# KiCad board architeuthis_dux_right.kicad_pcb
title: KEYBOARD_NAME_HERE; rev: VERSION_HERE; company: YOUR_NAME_HERE
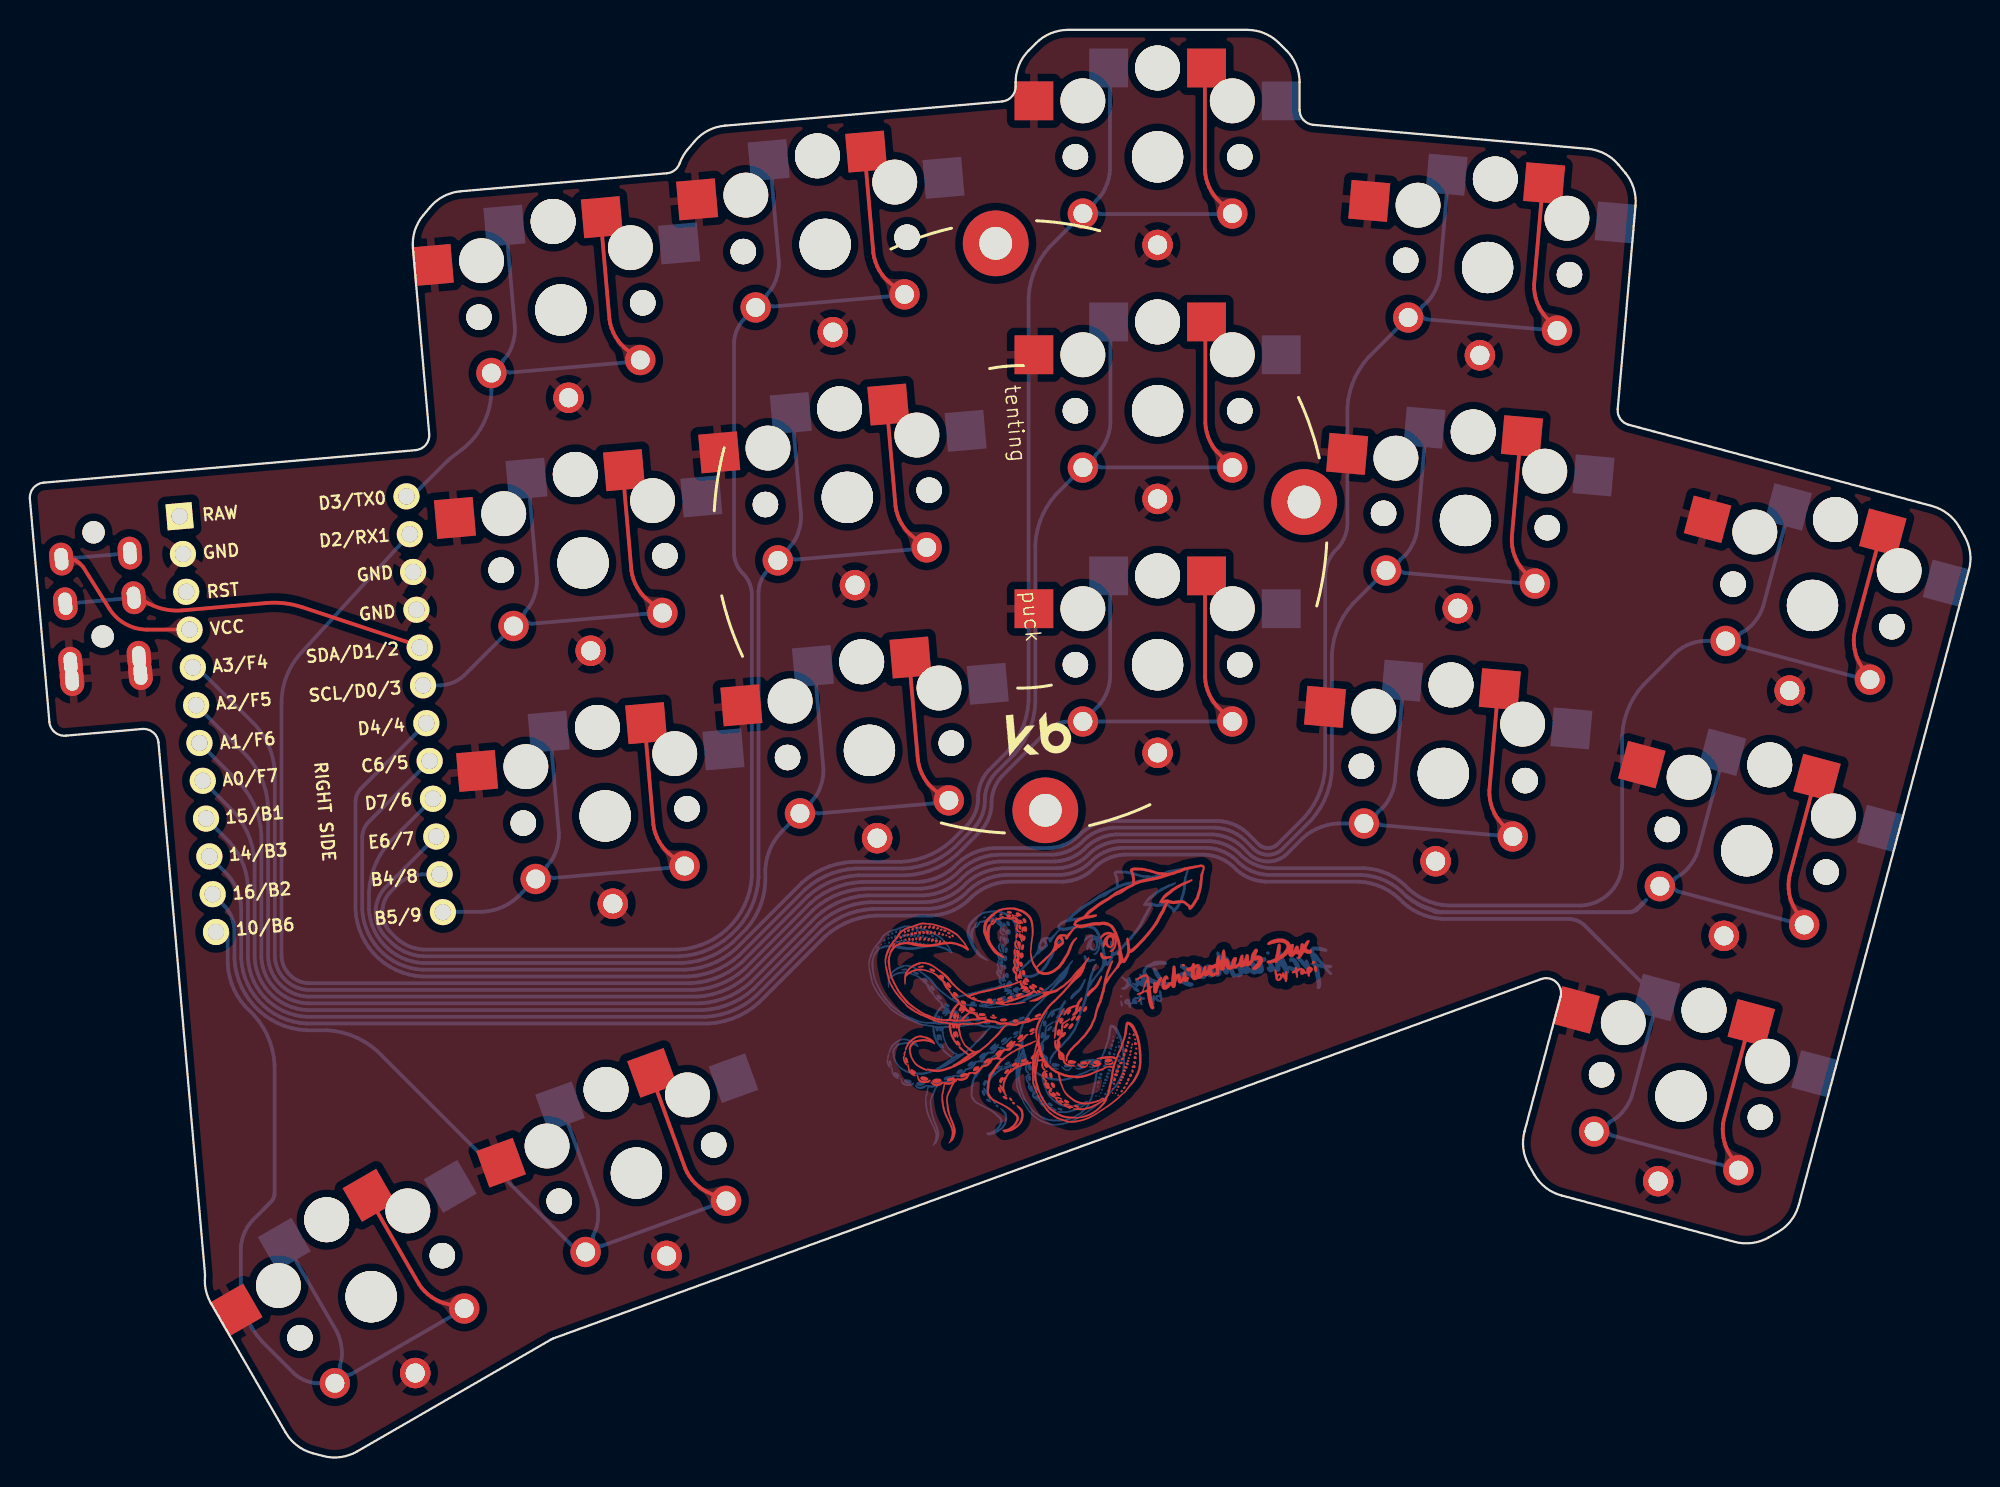
[diagram p0: board, top side]
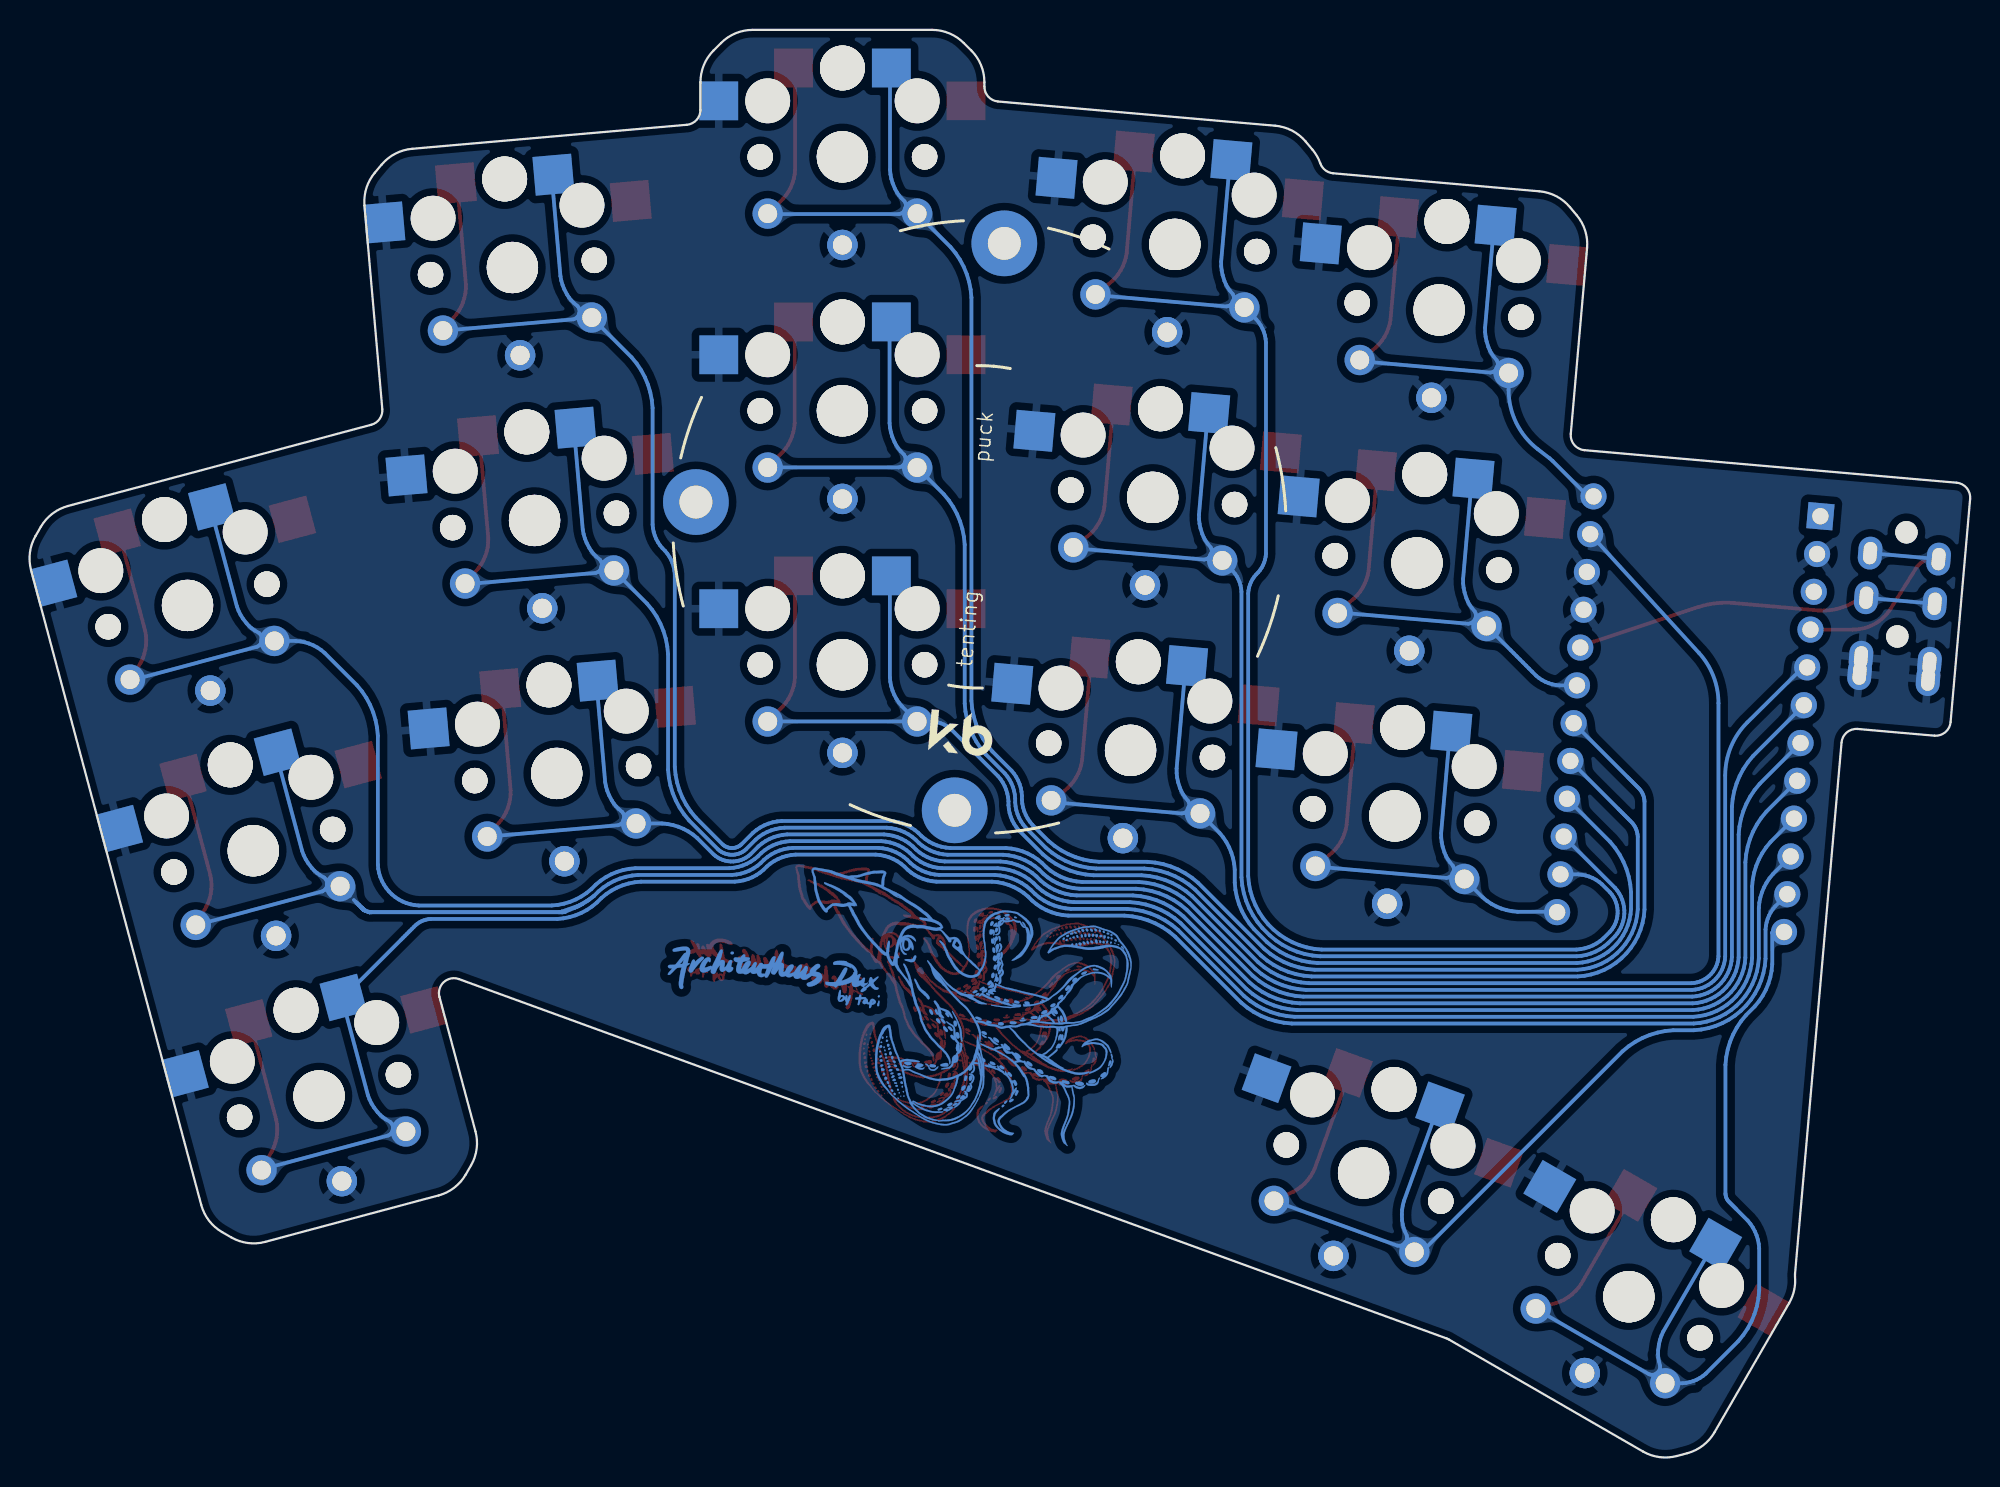
[diagram p1: board, bottom side, seen from below]

Outline 129.83 x 95.55 mm; copper layers: Top, Bottom. Coordinates in mm from the lower left corner of the outline.
Outline path: 19.61,0.08 18.93,0.26 arc(17.88,0.78) 17.11,1.66 12.11,10.32 arc(11.78,11.17) 11.72,12.08 arc(11.72,12.16) 11.72,12.25 8.6,47.84 arc(8.25,48.52) 7.52,48.75 2.39,48.3 arc(1.66,48.53) 1.31,49.21 0,64.15 arc(0.23,64.88) 0.91,65.23 25.81,67.41 arc(26.49,67.77) 26.72,68.5 25.63,80.95 arc(25.76,82.11) 26.32,83.14 26.78,83.68 arc(27.69,84.41) 28.82,84.74 42.63,85.95 arc(43.15,86.15) 43.48,86.61 arc(43.7,87.09) 44.01,87.53 44.46,88.07 arc(45.38,88.8) 46.5,89.13 65.05,90.75 arc(65.7,91.07) 65.96,91.75 65.96,92.05 arc(66.19,93.19) 66.84,94.17 ; 19.61,0.08 arc(20.78,0) 21.89,0.38 34.88,7.88 arc(34.96,7.92) 35.04,7.95 101.12,32 arc(102.14,31.8) 102.43,30.8 100.02,21.8 arc(99.94,20.64) 100.32,19.53 ; 66.84,94.17 67.34,94.67 arc(68.31,95.32) 69.46,95.55 81.46,95.55 arc(82.61,95.32) 83.58,94.67 84.08,94.17 ; 84.08,94.17 arc(84.73,93.19) 84.96,92.05 84.96,90.19 arc(85.23,89.51) 85.88,89.19 104.26,87.58 arc(105.39,87.26) 106.3,86.52 106.75,85.98 arc(107.32,84.96) 107.44,83.79 106.25,70.16 arc(106.43,69.5) 106.99,69.11 127.28,63.67 arc(128.33,63.16) 129.1,62.28 129.46,61.66 ; 100.67,18.92 100.32,19.53 ; 100.67,18.91 arc(101.44,18.03) 102.49,17.52 114.08,14.41 arc(115.25,14.33) 116.36,14.71 ; 116.36,14.71 116.97,15.06 arc(117.85,15.84) 118.37,16.89 129.76,59.39 arc(129.83,60.55) 129.46,61.66

## Placement (name value [footprint] x y rotation side)
C1  -  [ProMicro]  18.83 49.74 275 top
G***  LOGO  [BIGSQUID]  70.81 31 190 bottom
REF**  Tenting Puck  [Tenting_Puck]  66.29 62.28 185 bottom
S1  -  [PG1350]  110.49 24.17 165 bottom
S2  -  [PG1350#2]  110.49 24.17 345 bottom
S3  -  [PG1350]  114.89 40.59 165 bottom
S4  -  [PG1350#2]  114.89 40.59 345 bottom
S5  -  [PG1350]  119.29 57.02 165 bottom
S6  -  [PG1350#2]  119.29 57.02 345 bottom
S7  -  [PG1350]  94.58 45.77 175 bottom
S8  -  [PG1350#2]  94.58 45.77 355 bottom
S9  -  [PG1350]  96.06 62.7 175 bottom
S10  -  [PG1350#2]  96.06 62.7 355 bottom
S11  -  [PG1350]  97.55 79.64 175 bottom
S12  -  [PG1350#2]  97.55 79.64 355 bottom
S13  -  [PG1350]  75.46 53.05 180 bottom
S14  -  [PG1350#2]  75.46 53.05 0 bottom
S15  -  [PG1350]  75.46 70.05 180 bottom
S16  -  [PG1350#2]  75.46 70.05 0 bottom
S17  -  [PG1350]  75.46 87.05 180 bottom
S18  -  [PG1350#2]  75.46 87.05 0 bottom
S19  -  [PG1350]  56.18 47.32 185 bottom
S20  -  [PG1350#2]  56.18 47.32 5 bottom
S21  -  [PG1350]  54.7 64.25 185 bottom
S22  -  [PG1350#2]  54.7 64.25 5 bottom
S23  -  [PG1350]  53.22 81.19 185 bottom
S24  -  [PG1350#2]  53.22 81.19 5 bottom
S25  -  [PG1350]  38.5 42.92 185 bottom
S26  -  [PG1350#2]  38.5 42.92 5 bottom
S27  -  [PG1350]  37.01 59.86 185 bottom
S28  -  [PG1350#2]  37.01 59.86 5 bottom
S29  -  [PG1350]  35.53 76.79 185 bottom
S30  -  [PG1350#2]  35.53 76.79 5 bottom
S31  -  [PG1350]  40.59 19.02 200 bottom
S32  -  [PG1350#2]  40.59 19.02 20 bottom
S33  -  [PG1350]  22.84 10.74 210 bottom
S34  -  [PG1350#2]  22.84 10.74 30 bottom
T1  -  [TRRS-PJ-320A-dual]  1.83 63.31 185 bottom

## Footprints (pads in the part's own frame, mm; a bottom-side part is the same pattern mirrored in y, then rotated)
PG1350
  round 1.702 hole 1.702 unplated: (-5.5,0) (5.5,0)
  round 3 hole 3 unplated: (-5,3.75) (0,5.95) (0,5.95) (5,3.75)
  round 3.429 hole 3.429 unplated: (0,0)
  rect 2.6x2.6 smd far side: 1(-3.275,5.95) 2(8.275,3.75)
  rect 2.6x2.6 smd: 1(3.275,5.95) 2(-8.275,3.75)
PG1350#2
  round 1.702 hole 1.702 unplated: (-5.5,0) (5.5,0)
  round 3.429 hole 3.429 unplated: (0,0)
  round 2.032 hole 1.27: 1(-5,3.8) 1(5,3.8) 2(0,5.9) 2(0,5.9)
ProMicro
  rect 1.753x1.753 hole 1.092: 1(-13.97,-7.62)
  round 1.753 hole 1.092: 2(-11.43,-7.62) 3(-8.89,-7.62) 4(-6.35,-7.62) 5(-3.81,-7.62) 6(-1.27,-7.62) 7(1.27,-7.62) 8(3.81,-7.62) 9(6.35,-7.62) 10(8.89,-7.62) 11(11.43,-7.62) 12(13.97,-7.62) 13(-13.97,7.62) 14(-11.43,7.62) 15(-8.89,7.62) 16(-6.35,7.62) 17(-3.81,7.62) 18(-1.27,7.62) 19(1.27,7.62) 20(3.81,7.62) 21(6.35,7.62) 22(8.89,7.62) 23(11.43,7.62) 24(13.97,7.62)
Tenting_Puck
  round 4.4 hole 2.2: 1(-19.05,0) 1(0,-19.05) 1(0,19.05)
TRRS-PJ-320A-dual
  round 1.5 hole 1.5 unplated: (-2.3,-8.6) (-2.3,-1.6)
  oval 1.6x2.2 hole 0.9x1.5: 1(-4.6,-11.3) 1(0,-11.3) 2(-4.6,-10.2) 2(0,-10.2) 3(-4.6,-6.2) 3(0,-6.2) 4(-4.6,-3.2) 4(0,-3.2)

## Nets
GND: C1.2 C1.15 C1.16 S1.2 S2.2 S3.2 S4.2 S5.2 S6.2 S7.2 S8.2 S9.2 S10.2 S11.2 S12.2 S13.2 S14.2 S15.2 S16.2 S17.2 S18.2 S19.2 S20.2 S21.2 S22.2 S23.2 S24.2 S25.2 S26.2 S27.2 S28.2 S29.2 S30.2 S31.2 S32.2 S33.2 S34.2 T1.1 T1.2
VCC: C1.4 T1.4
P0: C1.5 S11.1 S12.1
P1: C1.14 S13.1 S14.1
P2: C1.17 T1.3
P3: C1.6 S9.1 S10.1
P4: C1.7 S7.1 S8.1
P5: C1.8 S5.1 S6.1
P6: C1.9 S3.1 S4.1
P7: C1.10 S1.1 S2.1
P8: C1.11 S31.1 S32.1
P9: C1.12 S33.1 S34.1
P10: C1.24 S25.1 S26.1
P14: C1.22 S21.1 S22.1
P15: C1.21 S19.1 S20.1
P16: C1.23 S23.1 S24.1
P18: C1.20 S17.1 S18.1
P19: C1.19 S15.1 S16.1
P20: C1.18 S27.1 S28.1
P21: C1.13 S29.1 S30.1

Pads without a net: C1 1 3; REF** 1

## Routing (per net, layer and track width the routed paths; a pad name or vN(x,y) marks a point on that pad's centre or on a via; arc(x,y) is an arc through that point)
GND: length 0.1
  Bottom w0.25: 10.34,60.46 C1.2
VCC: length 15.4
  Top w0.25: C1.4 7.86,55.4 arc(6.4,55.77) 5.31,56.8 3.56,59.6 3.33,59.83 3.24,59.9 3.15,59.96 3.05,60.01 2.95,60.05 2.85,60.09 2.74,60.11 2.63,60.12 T1.4
  Bottom w0.25: T1.4 T1.4
P0: length 161.6
  Top w0.25: 102.22,75.4 101.29,76.51 101.12,76.76 100.97,77.03 100.85,77.31 100.76,77.6 100.7,77.9 100.66,78.21 100.66,78.51 101.24,85.18
  Bottom w0.25: S12.1 89.57,73.63 89.23,73.21 88.93,72.77 88.68,72.3 88.48,71.8 88.32,71.29 88.22,70.77 88.16,70.23 88.16,62.43 88.14,62.18 88.09,61.94 88.02,61.7 87.92,61.47 87.81,61.25 87.67,61.04 87.51,60.85 87.33,60.67 87.18,60.48 87.04,60.27 86.92,60.05 86.82,59.82 86.75,59.58 86.7,59.34 86.68,59.09 86.68,46.2 86.63,45.67 86.52,45.15 86.37,44.64 86.16,44.14 85.91,43.67 85.61,43.23 85.27,42.81 83.48,41.02 83.41,40.96 83.33,40.91 83.25,40.86 83.17,40.83 83.08,40.8 82.99,40.78 82.9,40.78 82.81,40.78 82.72,40.78 82.63,40.8 82.54,40.83 82.45,40.86 82.37,40.91 82.3,40.96 82.23,41.02 81.45,41.79 81.22,41.98 80.97,42.15 80.7,42.29 80.42,42.41 80.13,42.5 79.83,42.56 79.53,42.59 72.31,42.59 72.01,42.56 71.71,42.5 71.42,42.41 71.14,42.29 70.87,42.15 70.62,41.98 70.38,41.79 70.17,41.57 69.93,41.38 69.68,41.21 69.41,41.07 69.13,40.95 68.84,40.86 68.54,40.8 68.24,40.78 64.52,40.78 64.14,40.74 63.77,40.66 63.4,40.55 63.05,40.41 62.72,40.23 62.4,40.02 62.1,39.77 61.83,39.5 61.54,39.26 61.22,39.05 60.89,38.87 60.53,38.72 60.17,38.61 59.8,38.54 59.42,38.5 55.63,38.5 55.1,38.45 54.58,38.35 54.07,38.19 53.57,37.99 53.1,37.73 52.66,37.44 52.24,37.1 47.83,32.68 47.41,32.34 46.97,32.05 46.5,31.79 46,31.59 45.49,31.43 44.97,31.33 44.44,31.28 18.62,31.28 18.39,31.3 18.16,31.35 17.94,31.41 17.73,31.5 17.53,31.61 17.33,31.74 17.16,31.88 16.99,32.05 16.85,32.22 16.72,32.41 16.61,32.62 16.52,32.83 16.46,33.05 16.41,33.28 16.39,33.5 16.39,45.63 arc(16,47.56) 14.91,49.19 11.19,52.87 C1.5 ; 94.92,85.73 94.33,79.07 94.28,78.77 94.19,78.47 94.08,78.19 93.89,77.83 93.76,77.63 93.61,77.44 93.44,77.27 93.18,77.05 93.1,76.92 93.05,76.77 93.05,76.61 93.1,76.46 93.19,76.33 93.32,76.23 93.46,76.17 102.22,75.4
P1: length 126.9
  Top w0.25: S13.1 78.68,58.94 78.67,58.93 78.66,58.91 78.65,58.9 78.65,58.88 78.64,58.87 78.64,58.85 78.64,58.83 78.64,52.21 78.67,51.9 78.73,51.6 78.82,51.31 78.93,51.03 79.08,50.76 79.25,50.5 79.44,50.27 S14.1
  Bottom w0.25: 71.16,49.25 71.27,49.25 ; 71.16,49.25 71.02,49.25 ; 71.16,49.25 71.13,49.29 ; 71.27,49.25 S14.1 ; 71.27,49.25 71.13,49.29 ; 71.02,49.25 70.99,49.28 ; 71.02,49.25 70.96,49.25 ; 70.41,49.25 70.31,49.28 ; 70.41,49.25 70.33,49.25 ; 70.41,49.25 70.96,49.25 ; 70.31,49.28 70.33,49.25 ; 70.31,49.28 70.27,49.3 ; 70.99,49.28 70.99,49.32 ; 70.99,49.28 70.96,49.25 ; 70.9,49.68 71.48,50.27 71.68,50.5 71.85,50.76 71.99,51.03 72.11,51.31 72.2,51.6 72.26,51.9 72.29,52.21 72.29,58.83 72.29,58.85 72.28,58.87 72.28,58.88 72.27,58.9 72.26,58.91 72.25,58.93 72.24,58.94 S13.1 ; 70.9,49.68 70.87,49.6 ; 70.9,49.68 70.82,49.62 ; 70.99,49.32 71.01,49.35 ; 70.99,49.32 70.96,49.38 ; 71.01,49.35 70.96,49.38 ; 71.01,49.35 71.13,49.29 ; 70.87,49.52 70.84,49.48 ; 70.87,49.52 70.9,49.45 ; 70.87,49.52 70.87,49.6 ; 70.84,49.48 70.9,49.45 ; 70.84,49.48 70.75,49.5 ; 70.96,49.38 70.9,49.45 ; 70.26,49.35 70.17,49.32 ; 70.26,49.35 70.62,49.5 ; 70.26,49.35 70.27,49.3 ; 70.17,49.32 70.27,49.3 ; 70.17,49.32 69.92,49.27 ; 70.82,49.62 70.87,49.6 ; 70.82,49.62 70.72,49.55 ; 70.33,49.25 70,49.25 ; 69.71,49.25 70,49.25 ; 69.71,49.25 69.92,49.27 ; 69.71,49.25 69.48,49.25 69.27,49.23 69.07,49.19 68.87,49.13 68.68,49.05 68.49,48.95 68.32,48.83 68.16,48.7 65.05,45.59 64.88,45.38 64.73,45.16 64.61,44.93 64.51,44.68 64.43,44.43 64.38,44.17 64.35,43.91 64.35,43.64 64.33,43.38 64.27,43.12 64.2,42.86 64.1,42.62 63.97,42.39 63.82,42.17 63.65,41.96 62.05,40.36 61.64,40.02 61.19,39.72 60.72,39.47 60.23,39.26 59.72,39.11 59.19,39.01 58.66,38.95 55.45,38.95 54.92,38.9 54.39,38.8 53.88,38.64 53.39,38.44 52.91,38.18 52.47,37.89 52.06,37.55 47.64,33.13 47.23,32.79 46.78,32.5 46.31,32.24 45.82,32.04 45.31,31.88 44.78,31.78 44.25,31.73 18.64,31.73 18.45,31.75 18.27,31.78 18.09,31.84 17.92,31.91 17.76,31.99 17.6,32.1 17.46,32.22 17.33,32.35 17.21,32.49 17.11,32.65 17.02,32.81 16.95,32.98 16.89,33.16 16.86,33.34 16.84,33.53 16.84,50.47 arc(17.18,52.28) 18.15,53.84 25.42,61.79 C1.14 ; 70,49.25 69.92,49.27 ; 70.62,49.5 70.75,49.5 ; 70.62,49.5 70.72,49.55 ; 70.75,49.5 70.72,49.55
P2: length 25.8
  Top w0.25: 7.08,57.2 7.08,57.6 7.09,57.6 7.98,57.13 arc(9.05,56.75) 10.19,56.69 15.82,57.18 arc(17.04,57.16) 18.23,56.9 26.21,54.25 26.21,54.26 ; T1.3 6.95,57.13 6.96,57.05 6.98,56.97 7,56.88 7.03,56.81 7.07,56.73 7.12,56.66 7.18,56.6
  Bottom w0.25: T1.3 T1.3
P3: length 142.5
  Top w0.25: 99.75,68.2 99.16,61.54 99.17,61.23 99.2,60.93 99.26,60.63 99.36,60.34 99.48,60.06 99.62,59.79 99.8,59.53 100.72,58.43
  Bottom w0.25: C1.6 14.53,46.93 14.87,46.52 15.17,46.07 15.42,45.6 15.63,45.11 15.78,44.59 15.89,44.07 15.94,43.54 15.94,33.48 15.97,33.21 16.02,32.94 16.1,32.68 16.2,32.42 16.33,32.18 16.49,31.95 16.66,31.74 16.85,31.55 17.07,31.37 17.29,31.22 17.54,31.09 17.79,30.99 18.05,30.91 18.32,30.85 18.59,30.83 44.62,30.83 45.15,30.88 45.68,30.98 46.19,31.14 46.68,31.34 47.16,31.6 47.6,31.89 48.01,32.23 52.43,36.65 52.84,36.99 53.29,37.28 53.76,37.54 54.25,37.74 54.76,37.9 55.29,38 55.82,38.05 59.6,38.05 59.98,38.09 60.36,38.16 60.72,38.27 61.07,38.42 61.41,38.6 61.73,38.81 62.02,39.05 62.29,39.32 62.59,39.57 62.9,39.78 63.24,39.96 63.59,40.1 63.96,40.21 64.33,40.29 64.71,40.33 68.42,40.33 68.73,40.35 69.02,40.41 69.32,40.5 69.6,40.62 69.86,40.76 70.12,40.93 70.35,41.12 70.57,41.34 70.8,41.53 71.05,41.7 71.32,41.84 71.6,41.96 71.89,42.05 72.19,42.11 72.49,42.14 79.34,42.14 79.64,42.11 79.94,42.05 80.23,41.96 80.51,41.84 80.78,41.7 81.03,41.53 81.27,41.34 81.92,40.68 82.03,40.6 82.14,40.52 82.26,40.46 82.39,40.4 82.52,40.36 82.65,40.34 82.78,40.33 82.92,40.33 83.05,40.34 83.19,40.36 83.32,40.4 83.44,40.46 83.56,40.52 83.67,40.6 83.78,40.68 85.72,42.63 86.06,43.04 86.36,43.48 86.61,43.96 86.82,44.45 86.97,44.96 87.08,45.49 87.13,46.02 87.13,53.75 87.18,54.28 87.29,54.8 87.44,55.31 87.65,55.81 87.9,56.28 88.2,56.72 88.53,57.14 S10.1 ; 100.72,58.43 91.97,59.2 91.82,59.25 91.7,59.35 91.61,59.48 91.56,59.64 91.56,59.79 91.6,59.95 91.69,60.08 91.94,60.29 92.11,60.46 92.26,60.65 92.39,60.85 92.58,61.21 92.7,61.5 92.78,61.79 92.84,62.09 93.42,68.75
P4: length 125.5
  Top w0.25: 99.23,41.54 98.3,42.64 98.12,42.89 97.98,43.16 97.86,43.44 97.77,43.74 97.7,44.04 97.67,44.34 97.67,44.65 98.25,51.31
  Bottom w0.25: 99.23,41.54 90.47,42.3 90.32,42.36 90.2,42.46 90.11,42.59 90.06,42.74 90.06,42.9 90.1,43.05 90.19,43.19 90.44,43.4 90.61,43.57 90.76,43.76 90.9,43.96 91.08,44.32 91.2,44.6 91.28,44.9 91.34,45.2 91.92,51.86 ; C1.7 14.08,45.07 14.42,44.66 14.72,44.21 14.97,43.74 15.18,43.25 15.33,42.73 15.44,42.21 15.49,41.68 15.49,33.46 15.52,33.14 15.58,32.83 15.68,32.53 15.8,32.23 15.95,31.95 16.12,31.69 16.33,31.44 16.55,31.21 16.8,31.01 17.06,30.84 17.34,30.69 17.64,30.56 17.94,30.47 18.26,30.41 18.57,30.38 44.83,30.38 45.37,30.43 45.89,30.53 46.4,30.69 46.9,30.89 47.37,31.15 47.81,31.44 48.23,31.78 52.64,36.2 53.05,36.54 53.5,36.83 53.97,37.09 54.46,37.29 54.98,37.45 55.5,37.55 56.03,37.6 59.79,37.6 60.17,37.64 60.54,37.71 60.91,37.82 61.26,37.97 61.6,38.15 61.91,38.36 62.21,38.6 62.48,38.87 62.77,39.12 63.09,39.33 63.42,39.51 63.78,39.65 64.14,39.76 64.52,39.84 64.89,39.88 68.61,39.88 68.91,39.9 69.21,39.96 69.5,40.05 69.78,40.17 70.05,40.31 70.3,40.48 70.54,40.67 70.75,40.89 70.99,41.08 71.24,41.25 71.51,41.39 71.79,41.51 72.08,41.6 72.38,41.66 72.68,41.69 79.15,41.69 79.46,41.66 79.75,41.6 80.04,41.51 80.33,41.39 80.59,41.25 80.85,41.08 81.08,40.89 81.62,40.35 81.76,40.23 81.91,40.13 82.07,40.05 82.23,39.98 82.41,39.93 82.58,39.89 82.76,39.88 82.94,39.88 83.12,39.89 83.3,39.93 83.47,39.98 83.64,40.05 83.79,40.13 83.94,40.23 84.08,40.35 85.18,41.45 85.47,41.68 85.78,41.89 86.1,42.06 86.44,42.2 86.8,42.31 87.16,42.38 87.53,42.42 S8.1
P5: length 161
  Top w0.25: 123.85,61.77 122.12,55.31 122.07,55.01 122.05,54.71 122.06,54.4 122.1,54.1 122.17,53.8 122.27,53.51 122.39,53.23 123.11,51.98
  Bottom w0.25: S6.1 112.04,54.64 111.74,54.61 111.44,54.55 111.15,54.46 110.87,54.35 110.6,54.2 110.35,54.03 110.11,53.84 107.95,51.68 107.62,51.27 107.32,50.82 107.07,50.35 106.86,49.86 106.71,49.35 106.6,48.82 106.55,48.29 106.55,39.66 106.52,39.38 106.47,39.1 106.38,38.83 106.28,38.57 106.14,38.32 105.99,38.09 105.81,37.87 105.61,37.67 105.39,37.49 105.15,37.33 104.9,37.2 104.64,37.09 104.37,37.01 104.1,36.96 103.81,36.93 94.92,36.93 94.5,36.97 94.09,37.05 93.69,37.17 93.31,37.33 92.94,37.53 92.59,37.76 92.26,38.03 91.97,38.32 91.64,38.59 91.3,38.82 90.93,39.02 90.54,39.18 90.14,39.3 89.73,39.38 89.31,39.43 83.04,39.43 82.73,39.45 82.44,39.51 82.15,39.6 81.86,39.72 81.6,39.86 81.34,40.03 81.11,40.22 80.89,40.44 80.66,40.63 80.41,40.8 80.14,40.94 79.86,41.06 79.57,41.15 79.27,41.21 78.97,41.24 72.87,41.24 72.56,41.21 72.27,41.15 71.98,41.06 71.69,40.94 71.43,40.8 71.17,40.63 70.94,40.44 70.72,40.22 70.49,40.03 70.24,39.86 69.97,39.72 69.69,39.6 69.4,39.51 69.1,39.45 68.8,39.43 65.08,39.43 64.7,39.39 64.33,39.31 63.96,39.2 63.61,39.06 63.27,38.88 62.96,38.67 62.66,38.42 62.39,38.15 62.1,37.91 61.78,37.7 61.45,37.52 61.09,37.37 60.73,37.26 60.36,37.19 59.98,37.15 56.22,37.15 55.69,37.1 55.16,37 54.65,36.84 54.16,36.64 53.68,36.38 53.24,36.09 52.83,35.75 48.41,31.33 48,30.99 47.55,30.7 47.08,30.44 46.59,30.24 46.08,30.08 45.55,29.98 45.02,29.93 18.55,29.93 18.19,29.96 17.83,30.03 17.49,30.14 17.15,30.28 16.83,30.45 16.53,30.65 16.25,30.88 15.99,31.14 15.76,31.42 15.56,31.72 15.39,32.04 15.25,32.37 15.15,32.72 15.08,33.08 15.04,33.44 15.04,39.82 14.99,40.35 14.88,40.88 14.73,41.39 14.52,41.88 14.27,42.35 13.97,42.8 13.63,43.21 C1.8 ; 123.11,51.98 114.63,54.25 114.49,54.34 114.39,54.46 114.32,54.6 114.3,54.76 114.33,54.92 114.4,55.06 114.5,55.17 114.79,55.34 114.99,55.48 115.17,55.64 115.33,55.81 115.58,56.14 115.74,56.4 115.88,56.67 115.98,56.96 117.72,63.42
P6: length 160.1
  Top w0.25: 119.48,45.4 117.75,38.94 117.7,38.63 117.68,38.33 117.69,38.02 117.73,37.72 117.8,37.42 117.9,37.13 118.02,36.85 118.75,35.6
  Bottom w0.25: 107.81,36.96 107.84,36.99 ; 107.81,36.96 107.8,36.95 ; 107.81,36.96 107.8,36.95 ; 107.84,36.99 107.8,36.95 ; 107.84,36.99 107.88,37.03 ; 107.61,36.75 107.61,36.75 ; 107.61,36.75 107.61,36.75 ; 107.61,36.75 107.61,36.75 ; 107.61,36.75 107.66,36.81 ; 107.61,36.75 107.63,36.77 ; 94.27,36.48 94.3,36.48 ; 94.27,36.48 94.27,36.49 ; 94.27,36.48 94.24,36.48 ; 94.3,36.48 94.38,36.48 ; 94.3,36.48 94.27,36.49 ; 92.08,37.58 91.78,37.87 91.46,38.14 91.11,38.37 90.74,38.57 90.35,38.73 89.95,38.85 89.54,38.93 89.12,38.98 82.85,38.98 82.55,39 82.25,39.06 81.96,39.15 81.68,39.27 81.41,39.41 81.16,39.58 80.92,39.77 80.71,39.99 80.47,40.18 80.22,40.35 79.95,40.49 79.67,40.61 79.38,40.7 79.08,40.76 78.78,40.79 73.05,40.79 72.75,40.76 72.45,40.7 72.16,40.61 71.88,40.49 71.61,40.35 71.36,40.18 71.13,39.99 70.91,39.77 70.68,39.58 70.42,39.41 70.16,39.27 69.87,39.15 69.58,39.06 69.29,39 68.98,38.98 65.27,38.98 64.89,38.94 64.51,38.86 64.15,38.75 63.8,38.61 63.46,38.43 63.14,38.22 62.85,37.97 62.58,37.7 62.29,37.46 61.97,37.25 61.63,37.07 61.28,36.92 60.92,36.81 60.54,36.74 60.16,36.7 56.4,36.7 55.87,36.65 55.35,36.55 54.84,36.39 54.34,36.19 53.87,35.93 53.43,35.64 53.01,35.3 48.6,30.88 48.18,30.54 47.74,30.25 47.27,29.99 46.77,29.79 46.26,29.63 45.74,29.53 45.21,29.48 18.53,29.48 18.12,29.52 17.72,29.6 17.33,29.72 16.96,29.87 16.6,30.06 16.26,30.29 15.95,30.55 15.66,30.83 15.4,31.15 15.17,31.49 14.98,31.85 14.83,32.22 14.71,32.61 14.63,33.01 14.59,33.42 14.59,38.2 14.54,38.67 14.45,39.13 14.32,39.58 14.14,40.01 13.91,40.43 13.65,40.82 13.36,41.18 C1.9 ; 92.08,37.58 92.41,37.32 ; 92.08,37.58 92.57,37.21 ; 107.63,36.77 107.64,36.79 ; 107.63,36.77 107.62,36.77 ; 107.64,36.79 107.62,36.77 ; 107.64,36.79 107.68,36.82 ; 107.49,36.66 107.5,36.66 ; 107.49,36.66 107.22,36.51 ; 107.49,36.66 107.5,36.67 ; 107.5,36.66 107.5,36.65 ; 107.5,36.66 107.5,36.67 ; 107.52,36.66 107.53,36.68 ; 107.52,36.66 107.51,36.66 ; 107.52,36.66 107.48,36.63 ; 107.53,36.68 107.51,36.66 ; 107.53,36.68 107.61,36.75 ; 94.38,36.48 94.45,36.48 ; 94.38,36.48 94.36,36.49 ; 94.45,36.48 94.36,36.49 ; 94.45,36.48 106.96,36.48 ; 94.36,36.49 94.26,36.51 ; 107.59,36.74 107.59,36.73 ; 107.59,36.74 107.8,36.95 ; 107.59,36.74 107.57,36.72 ; 107.59,36.73 107.61,36.75 ; 107.59,36.73 107.57,36.72 ; 107.1,36.48 107.09,36.48 ; 107.1,36.48 107.1,36.48 ; 107.1,36.48 107.17,36.49 ; 107.09,36.48 107.1,36.48 ; 107.09,36.48 107.09,36.48 ; 92.41,37.32 93.13,36.91 ; 92.41,37.32 92.57,37.21 ; 93.13,36.91 93.2,36.85 ; 93.13,36.91 93.39,36.77 ; 107.1,36.48 107.11,36.48 ; 107.76,36.9 107.8,36.95 ; 107.76,36.9 107.79,36.93 ; 107.76,36.9 107.7,36.85 ; 107.8,36.95 107.79,36.93 ; 107.62,36.77 107.61,36.75 ; 94.07,36.5 94.01,36.51 ; 94.07,36.5 94.1,36.49 ; 94.07,36.5 94.19,36.48 ; 94.01,36.51 93.39,36.77 ; 94.01,36.51 94.1,36.49 ; 92.85,37.04 93.1,36.9 ; 92.85,37.04 93.03,36.95 ; 92.85,37.04 92.57,37.21 ; 93.1,36.9 93.2,36.85 ; 93.1,36.9 93.03,36.95 ; 107.08,36.48 107.08,36.48 ; 107.08,36.48 107.07,36.48 ; 107.08,36.48 107.09,36.48 ; 107.08,36.48 107.09,36.48 ; 107.08,36.48 107.02,36.48 ; 107.61,36.75 108.05,37.19 107.97,37.11 ; 107.61,36.75 107.61,36.75 ; 107.61,36.75 107.61,36.75 ; 107.49,36.64 107.42,36.59 ; 107.49,36.64 107.5,36.65 ; 107.49,36.64 107.5,36.64 ; 107.42,36.59 107.44,36.6 ; 107.42,36.59 107.39,36.58 ; 94.26,36.51 94.26,36.5 ; 94.26,36.51 94.24,36.52 ; 107.5,36.64 107.51,36.65 ; 107.5,36.64 107.49,36.63 ; 107.51,36.65 107.5,36.65 ; 107.51,36.65 107.51,36.66 ; 94.27,36.49 94.26,36.5 ; 107,36.48 107.05,36.49 ; 107,36.48 107.02,36.48 ; 107,36.48 106.96,36.48 ; 107.05,36.49 107.06,36.49 ; 107.05,36.49 107.07,36.48 ; 106.96,36.48 107.02,36.48 ; 107.39,36.58 107.44,36.6 ; 107.39,36.58 107.06,36.49 ; 107.44,36.6 107.47,36.61 ; 94.26,36.5 94.24,36.52 ; 94.24,36.52 93.03,36.95 ; 93.39,36.77 93.2,36.85 ; 107.97,37.11 107.88,37.03 ; 107.97,37.11 107.91,37.06 ; 107.88,37.03 107.91,37.06 ; 107.17,36.49 107.19,36.49 ; 107.17,36.49 107.22,36.51 ; 94.24,36.48 94.19,36.48 ; 94.24,36.48 94.21,36.48 ; 94.19,36.48 94.21,36.48 ; 107.66,36.81 107.68,36.82 ; 107.66,36.81 107.7,36.85 ; 107.68,36.82 107.7,36.85 ; 107.07,36.48 107.06,36.49 ; 107.91,37.06 107.79,36.93 ; 107.61,36.75 107.61,36.75 ; 107.47,36.61 107.49,36.63 ; 107.47,36.61 107.48,36.63 ; 107.19,36.49 107.22,36.51 ; 107.19,36.49 107.14,36.48 ; 107.11,36.48 107.14,36.48 ; 107.11,36.48 107.12,36.48 ; 118.75,35.6 110.26,37.88 110.12,37.96 110.02,38.08 109.95,38.22 109.93,38.38 109.96,38.54 110.03,38.68 110.14,38.8 110.42,38.96 110.62,39.1 110.8,39.26 110.97,39.44 111.21,39.76 111.37,40.02 111.51,40.29 111.62,40.58 113.35,47.04 ; 107.49,36.63 107.48,36.63 ; 107.14,36.48 107.12,36.48 ; 107.12,36.48 94.18,36.48 ; 94.19,36.48 94.18,36.48 ; 94.19,36.48 94.21,36.48 ; 94.19,36.48 94.14,36.48 ; 94.18,36.48 94.14,36.48 ; 107.5,36.67 107.57,36.72 ; 94.14,36.48 94.1,36.49